# Altium PCB 线圈主板V2.0.PcbDoc
Units mil, origin at the board's own origin, x right, y up, seen from the top; angles counter-clockwise.
Board outline 3937.01 x 3937.01 mil, 2 copper layers (Top Layer, Bottom Layer); 11 components, 11 nets, 34 pads, 2 vias.
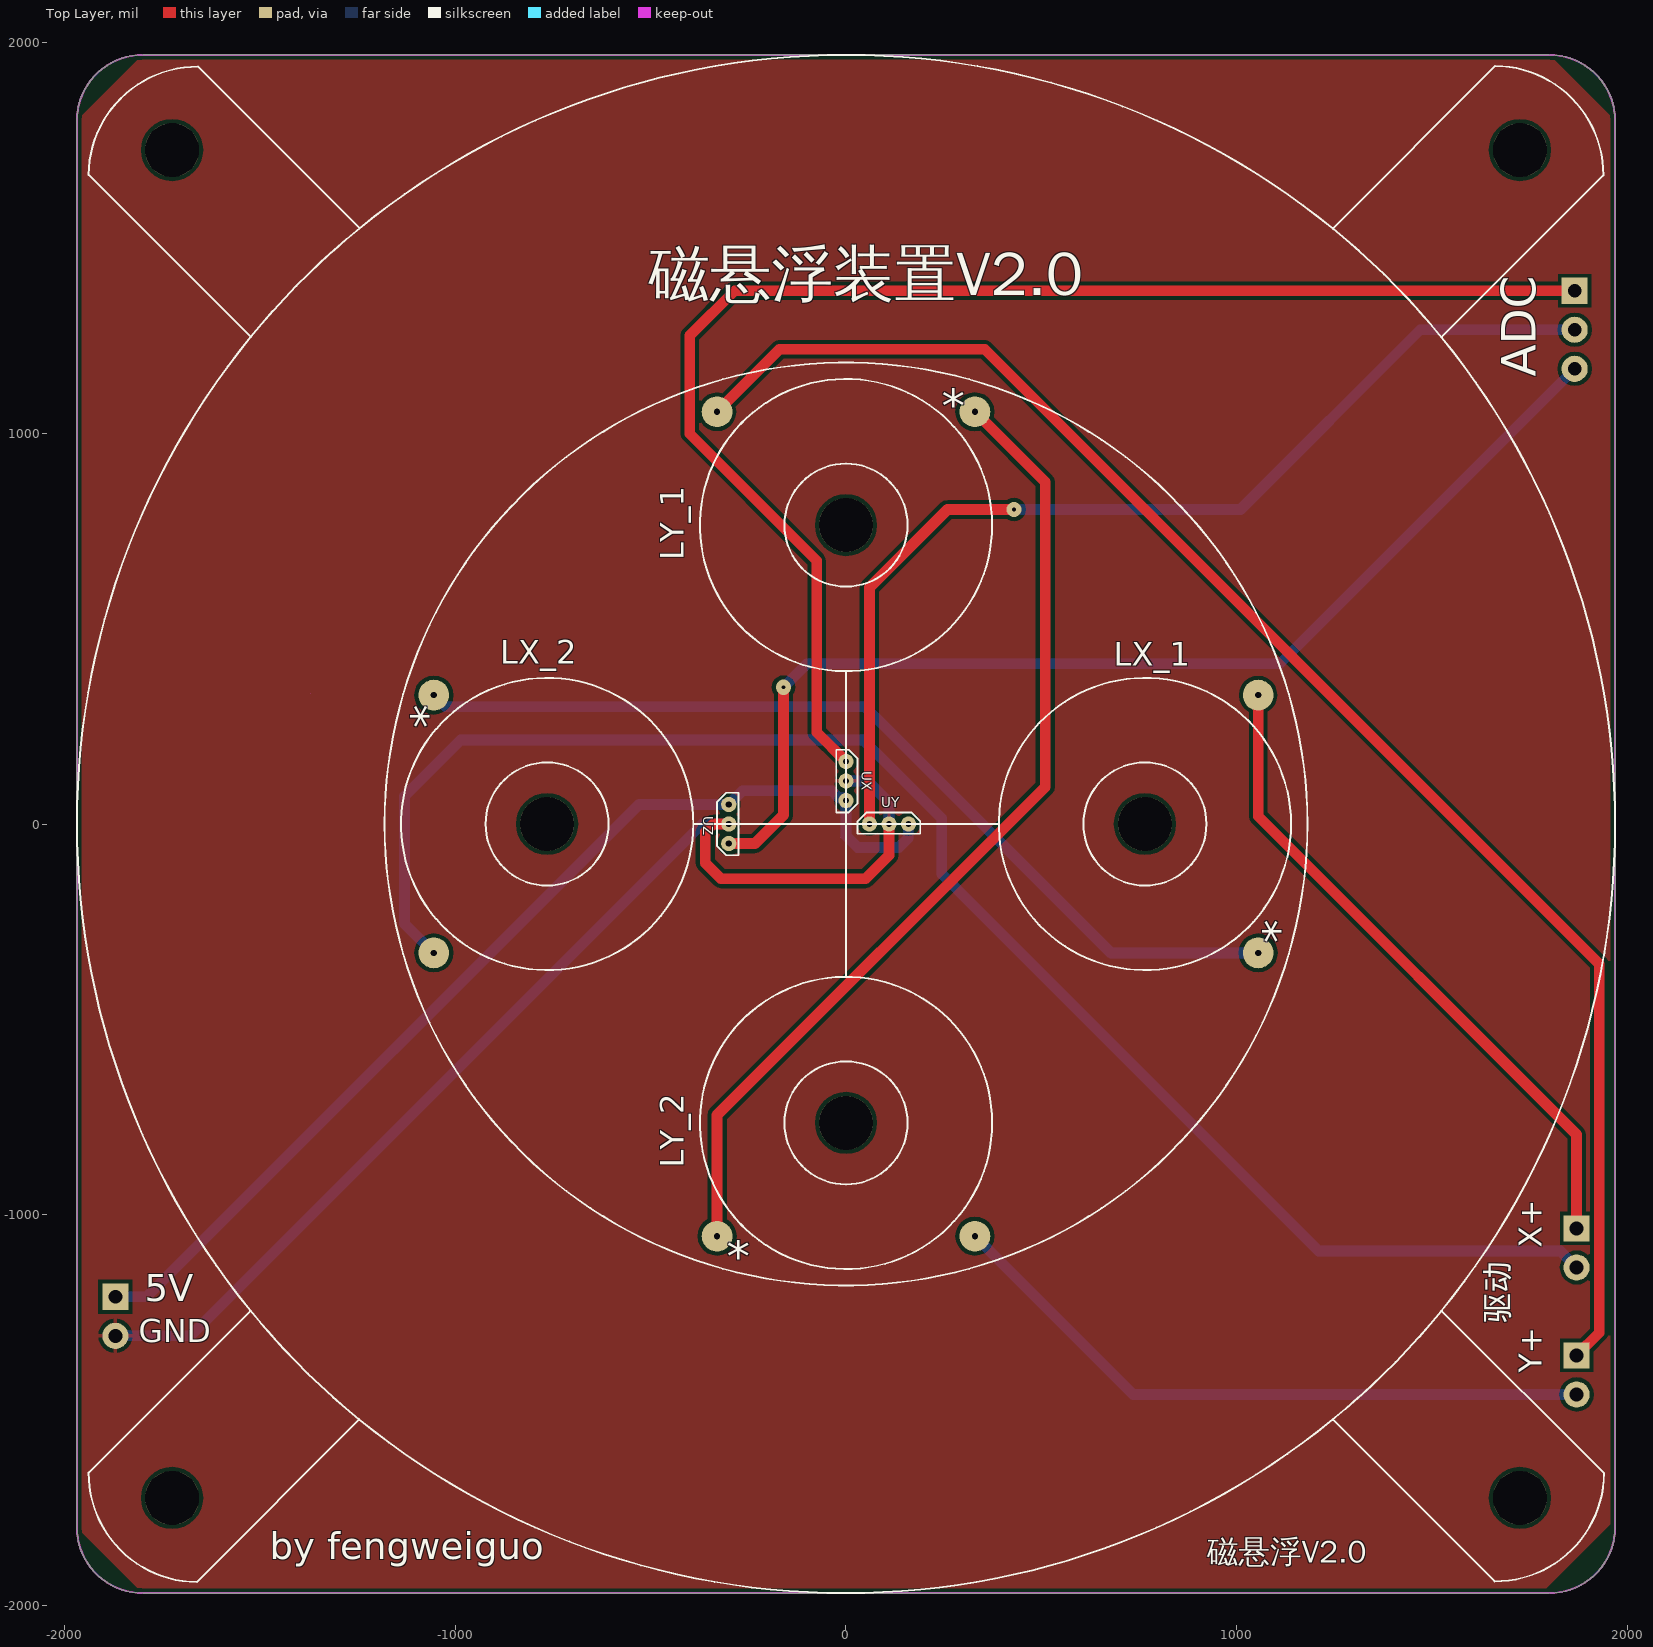
[diagram p0: Top Layer view]
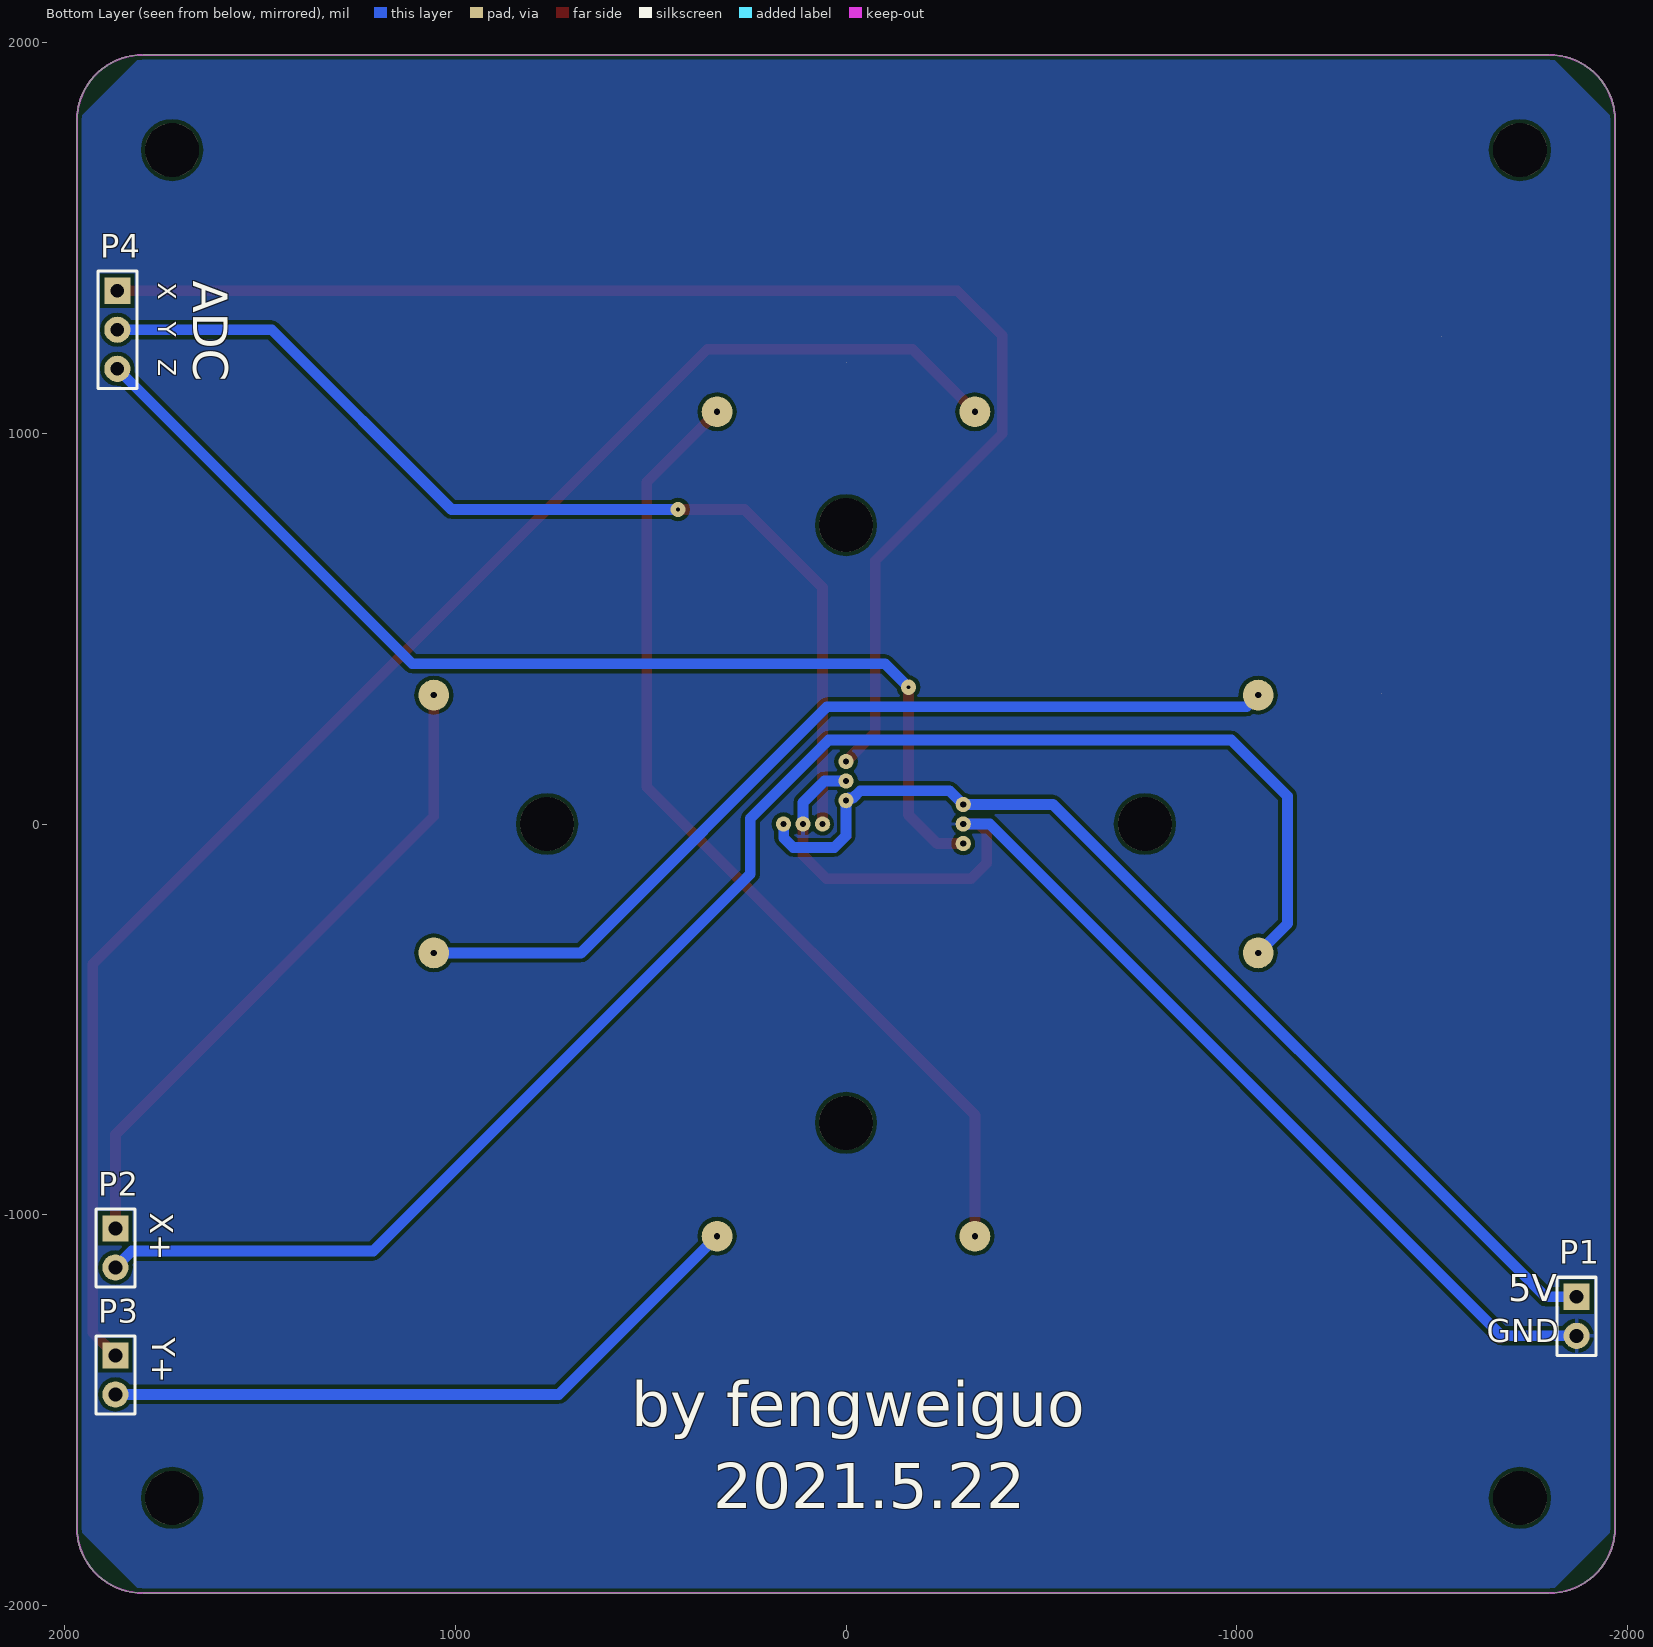
[diagram p1: Bottom Layer view, seen from below]

## Layer stack, top to bottom
Top Solder: solder mask 0.4, Solder Resist, Dk 3.5
Top Layer: signal copper 1.4
Dielectric 1: dielectric 12.6, FR-4, Dk 4.8
Bottom Layer: signal copper 1.4
Bottom Solder: solder mask 0.4, Solder Resist, Dk 3.5

## Board outline
-1968.5,-1800 -1968.5,1800 cw(c-1800,1800) -1800,1968.51 1800,1968.51 cw(c1800,1800) 1968.51,1800 1968.51,-1800 cw(c1800,-1800) 1800,-1968.5 -1800,-1968.5 cw(c-1800,-1800)
cut-out: -1523.38,1246.62
cut-out: 0,1180
cut-out: -15,-35
cut-out: -1370,335

## Design rules (kind name [scope] priority, off if disabled: settings)
Clearance [All] p1: gap=10 ignorepadtopadclearanceinfootprint=FALSE except(0: Arc-Hole Track-Hole SMDPad-Hole THPad-Hole Via-Hole Fill-Hole Poly-Hole Region-Hole Text-Hole)
HoleSize [All] p1: absolutevalues=TRUE maxlimit=1000 minlimit=1 maxpercent=80.000 minpercent=20.000
HoleToHoleClearance [All] p1: gap=1 allowstackedmicrovias=TRUE
MinimumSolderMaskSliver [All] p1: minsoldermaskwidth=1
PolygonConnect [All] p1: connectstyle=Relief reliefconductorwidth=10 reliefentries=4 polygonreliefangle="90 Angle" airgapwidth=10
RoutingVias [All] p1: holewidth=28 width=50 viastyle="Through Hole" minholewidth=28 minwidth=50 maxholewidth=28 maxwidth=50
SilkToSilkClearance [All] p1: silktosilkclearance=0
SilkToSolderMaskClearance [IsPad] p1: minsilkscreentomaskgap=0 clearancetoexposedcopper=TRUE
SolderMaskExpansion [All] p1: expansion=4
UnRoutedNet [All] p1: checkbadconnections=TRUE
Width [All] p1: maxlimit=39.37 minlimit=27.56 preferedwidth=27.56
24 further rules are at their usual default settings.

## Components (designator, comment, footprint, x,y, rotation, side; value= is the part's Value field where it differs from the comment)
LX_1 "3.7mH" 线圈 765,0 r90 top
LX_2 "3.7mH" 线圈 -765,0 r270 top
LY_1 "3.7mH" 线圈 0,765 r180 top
LY_2 "3.7mH" 线圈 0,-765 r0 top
P1 "Pin2" HDR2.54-LI-2P -1870,-1260 r270 bottom
P2 "Pin2" HDR2.54-LI-2P 1870,-1085 r270 bottom
P3 "Pin2" HDR2.54-LI-2P 1870,-1410 r270 bottom
P4 "Pin3" HDR2.54-LI-3P 1865,1265 r270 bottom
UX "3503" 49E -5,200 r90 top
UY "3503" 49E 20,-5 r180 top
UZ "3503" 49E -295,-90 r270 top

## Footprints (in the part's own frame and the unit in brackets; to place one, negate y for a bottom-side part, rotate by r counter-clockwise, add the part's x,y. Pads: shape width x height; smd on the part's side, far side on the other; paste and mask are expansions set on the pad)
49E [mm]
  round 1 hole 0.4: 1(-3.556,-0.127) 2(-2.286,-0.127) 3(-1.016,-0.127)
  silkscreen extent -4.32,-0.89 -0.25,0.51, body extent -4.32,-0.89 -0.25,0.51, height 3.1
HDR2.54-LI-2P [mm] "排针，2脚"
  rect 1.7x1.7 hole 0.9: 1(-1.27,0)
  round 1.7 hole 0.9: 2(1.27,0)
  silkscreen extent -2.54,-1.27 2.54,1.27, body extent -2.54,-1.27 2.54,1.27, height 8.5
HDR2.54-LI-3P [mm] "排针，3脚"
  rect 1.7x1.7 hole 0.9: 1(-2.54,0)
  round 1.7 hole 0.9: 2(0,0) 3(2.54,0)
  silkscreen extent -3.81,-1.27 3.81,1.27, body extent -3.81,-1.27 3.81,1.27, height 8.5
线圈 [mm]
  round 2 hole 0.4: 1(-8.382,-7.366) 2(8.382,-7.366)
  round 3.5 hole 3.5 unplated: 3(0,0)
  silkscreen extent -9.5,-9.5 9.5,9.5, body extent -9.65,-9.5 9.5,10.29, height 12

## Part data
LX_1 LX_2 LY_1 LY_2: library part L-MR, "功率磁环电感"
P1: "两脚2.54mm排针"
P2 P3: library part L298N, "接L298N输出端口"
P4: "三脚2.54mm排针"
UX UY UZ: library part 49E, "49E线性霍尔元件"

## Free pads (board coordinates)
  round 137.8 hole 137.8 unplated: 1(-1725,1725) 2(1725,1725) 3(-1725,-1725) 4(1725,-1725)

## Via types
v1: diameter 39.37, hole 10, Top Layer to Bottom Layer, tented both sides, 2 vias

## Nets (pads, with @x,y where several pads share a name; then routed paths per layer and width w, separated by ;. In a path a pad name is that pad's centre, name@x,y a point inside that pad or via, vN(x,y) a via of type N, cw(c..) or ccw(c..) an arc to the next point about the centre after c; other vN are vias at no path point)
+5: P1.1 UX.1 UY.1 UZ.1 | length 2724.5
  Bottom Layer w27.56: P1.1 -1790,-1210 -530,50 UZ.1 -265,85 -36.47,85 -18,66.54 -6.54,66.54 UX.1 0,-30 30,-60 135,-60 159.04,-35.96 159.04,-0.96 UY.1
GND: P1.2 UX.2 UY.2 UZ.2 | length 3040.1
  Top Layer w27.56: UZ.2 -340,0 -360,-20 -360,-100 -320,-140 50,-140 110,-80 UY.2
  Bottom Layer w27.56: P1.2 -1678,-1310 -368,0 UZ.2 ; UX.2 55,110 110,55 UY.2
NetLX_1_1: LX_1.1 LX_2.1 | length 2383.4
  Bottom Layer w27.56: LX_2.1 -1025,300 48.36,300 678.35,-330 LX_1.1
NetLX_1_2: LX_1.2 P2.1 | length 1702.6
  Top Layer w27.56: LX_1.2 1055,20 1870,-795 P2.1
NetLX_2_2: LX_2.2 P2.2 | length 4134.1
  Bottom Layer w27.56: LX_2.2 -1130,-255 -1130,71 -986,215 44.01,215 245,14.01 245,-127.99 1210,-1093 1828,-1093 P2.2
NetLY_1_1: LY_1.1 LY_2.1 | length 2532.5
  Top Layer w27.56: LY_2.1 -330,-745 510,95 510,875.01 LY_1.1
NetLY_1_2: LY_1.2 P3.1 | length 4001.9
  Top Layer w27.56: LY_1.2 -170,1215 355,1215 1928,-358 1928,-1302 P3.1
NetLY_2_2: LY_2.2 P3.2 | length 1707.8
  Bottom Layer w27.56: LY_2.2 735,-1460 P3.2
XOUT: P4.1 UX.3 | length 3568.3
  Top Layer w27.56: UX.3 -75,235 -75,674.01 -400,999.01 -400,1250 -285,1365 P4.1
YOUT: P4.2 UY.3 | length 2683.4
  Top Layer w27.56: UY.3 60,605 260,805 v1(430,805)
  Bottom Layer w27.56: v1(430,805) 1010,805 1470,1265 P4.2
ZOUT: P4.3 UZ.3 | length 2859.8
  Top Layer w27.56: UZ.3 -233,-50 -160,23 v1(-160,350)
  Bottom Layer w27.56: v1(-160,350) -100,410 1110,410 P4.3
pads on no net: LX_1.3 LX_2.3 LY_1.3 LY_2.3

## Polygon pours and split planes (outlines as drawn)
GND on Top Layer (solid, pour order 0): -1800,1968.51 -1968.5,1800 -1968.5,-1800 -1800,-1968.5 1780,-1968.5 1968.5,-1780 1968.51,-1780 1968.51,1800 1800,1968.51
GND on Bottom Layer (solid, pour order 4): -1800,1968.51 -1968.5,1800 -1968.5,-1800 -1800,-1968.5 1800,-1968.5 1968.51,-1800 1968.51,1800 1800,1968.51 -1800,1968.51

## Keep-outs
Keep-Out Layer:
  the board outline again, w5

## Silkscreen, mask and mechanical layers (free items; w line width, h text height)
Top Overlay:
  circle w5: c0,0 r1181.1
  lines w5: -1525,-1246.77 -1938.22,-1660 ccw(c-1659.83,-1661.77) -1661.6,-1940.16 -1246.65,-1525.21 ; -1245,1525 -1658.22,1938.23 ccw(c-1659.99,1659.83) -1938.38,1661.61 -1523.43,1246.66 ; -390,0 0,0 ; 0,-390 0,0 ; 0,390 0,0 ; 390,0 0,0 ; 1246.66,1525.22 1661.61,1940.17 cw(c1659.83,1661.78) 1938.23,1660 1525,1246.78 ; 1246.78,-1525 1660,-1938.22 ccw(c1661.78,-1659.83) 1940.17,-1661.6 1525.22,-1246.65 ; 1523.44,-1246.65 cw(c0,0) 1244.9,-1524.87 cw(c0,0) -1246.65,-1523.43 cw(c0,0) -1524.87,-1244.89 cw(c0,0) -1523.43,1246.66 ; 1523.54,-1246.52 ccw(c0,0) 1524.88,1244.9 ccw(c0,0) 1246.66,1523.44 ccw(c0,0) -1244.89,1524.88 ccw(c0,0) -1523.43,1246.66
  text "磁悬浮装置V2.0" at -505,1315 h196.85
  text "ADC" at 1795,1145 h150 r90
  text "X+" at 1800,-1085 h100 r90
  text "5V" at -1795,-1244.89 h118.11
  text "驱动" at 1715,-1280 h100 r90
  text "GND" at -1810,-1345 h100
  text "Y+" at 1800,-1405 h100 r90
  text "by fengweiguo" at -1475,-1905 h118.11
  text "磁悬浮V2.0" at 925,-1910 h100
Bottom Overlay:
  text "ADC" at 1700,1390 h150 r90
  text "X" at 1775,1385 h80 r90
  text "Y" at 1775,1285 h80 r90
  text "Z" at 1775,1190 h80 r90
  text "X+" at 1800,-995 h100 r90
  text "5V" at -1695,-1245 h118.11
  text "Y+" at 1795,-1315 h100 r90
  text "GND" at -1640,-1345 h100
  text "by fengweiguo" at 550,-1580 h196.85
  text "2021.5.22" at 340,-1790 h196.85

## Text inside footprints (layer, text, board x,y; h text height)
LX_1: Top Overlay "*" at 1180,-305 h150 r90
LX_2: Top Overlay "*" at -1180,305 h150 r270
LY_1: Top Overlay "*" at 305,1180 h150 r180
LY_2: Top Overlay "*" at -305,-1180 h150